# Altium PCB [01]-Robot.PcbDoc (part 1 of 2) (continued)
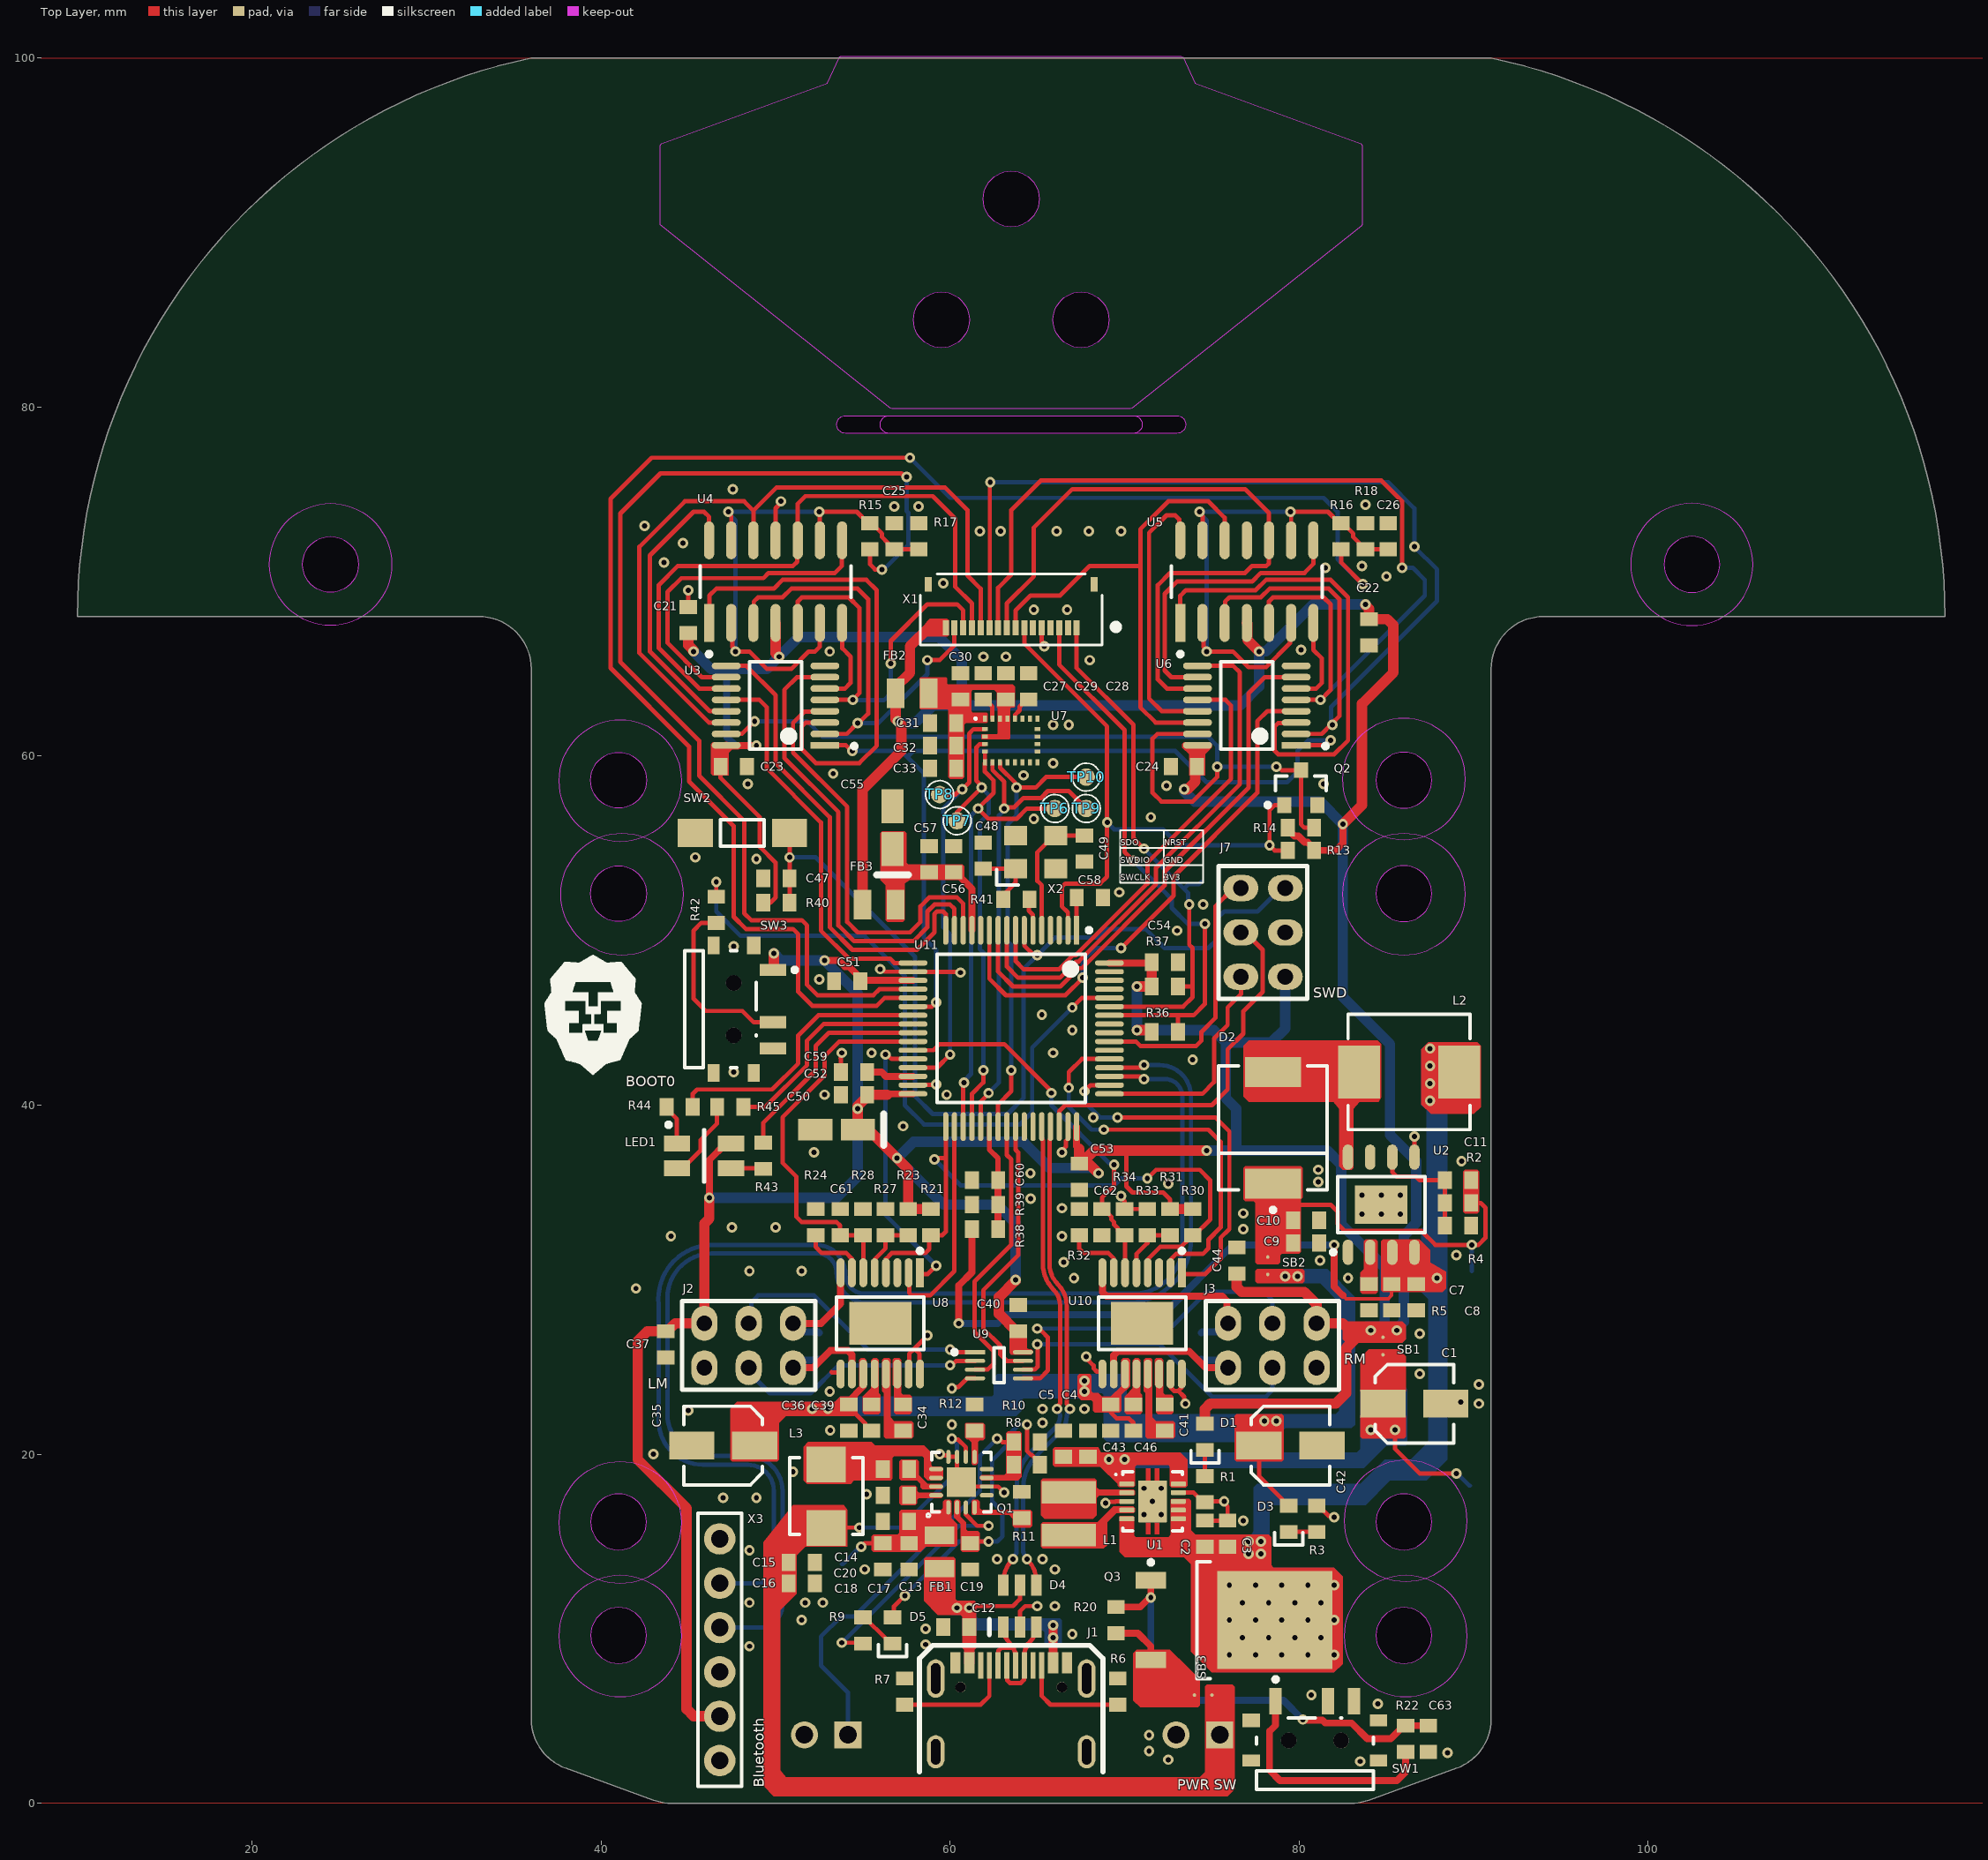
[diagram p0: Top Layer view]
## Part data (continued)
L2: library part MWSA0603S-4R7MT, "Fixed Ind 4.7UH 6A 33 Mohm SMD", LCSC#=C408447, Manufacturer=Sunlord, Supplier Part Number 1=3442-MWSA0603S-4R7MTCT-ND, Manufacturer Part Number=MWSA0603S-4R7MT, Pricing 1="1=1.24, 10=1.149, 25=1.0604, 50=0.8838, 100=0.8307, 250=0.74236, 500=0.6363 (USD)", RoHS=No, Stock 1=1109, Supplier 1=Digi-Key
L3: "Power Inductor SMD Sunlord MWSA0603S", Manufacturer=Sunlord, Manufacturer Part Number=MWSA0402S-
LED1: library part CMP-1431-00001-1, "SMD Full-Color Top LED, WL-SFTW, Red & Green & Blue", Color="Red & Green & Blue", Manufacturer="Wuerth Elektronik", ComponentLink1Description="Manufacturer URL", ComponentLink1URL=http://www.we-online.com, ComponentLink2Description=Datasheet, ComponentLink2URL=http://katalog.we-online.com/led/datasheet/150141M173100.pdf, PackageReference=3528_A, PartNumber=150141M173100
Q1: "Standalone 1-cell 17-V, 3.0-A battery charger with JEITA battery temperature monitoring 16-WQFN -40 to 85", LCSC#=C2842775, Manufacturer="Texas Instruments", Category="Integrated Circuits (ICs)", Manufacturer Part Number=BQ25303JRTER, Pricing 1="1=2.18000, 10=1.97000, 50=1.85000, 100=1.58000, 1000=1.08000, 10000=0.97900 (USD)", RoHS=No, Stock 1=8047, Supplier 1=Mouser, Supplier Part Number 1=BQ25303JRTER
Q2: "Small Signal MOSFET, 60 V, 115 mA, N-Channel, 3-Pin SOT-23, Pb-Free, Tape and Reel", LCSC#=C16338, Manufacturer="On Semiconductor", Package Type=SOT-23-3, Channel Polarity="N Channel", ComponentLink1Description="Manufacturer URL", ComponentLink1URL=http://www.onsemi.com/, ComponentLink2Description=Datasheet, ComponentLink2URL=http://www.onsemi.com/pub_link/Collateral/2N7002L-D.PDF, ComponentLink3Description="Package Specification", ComponentLink3URL=http://www.onsemi.cn/pub_link/Collateral/318-08.PDF, Configuration=Single, DatasheetVersion="Rev. 7", ID Max (A)=0.115, Mounting Technology="Surface Mount", PackageDescription="3-Pin Small Outline Transistor, Body 2.92 x 1.3 mm, Pitch 0.95 mm", PackageReference=SOT-23-3-318-08, PackageVersion="Rev. AP, 11/2009", Packing="Tape and Reel", PartNumber=2N7002LT1G, RoHS=Pb-Free, V(BR)DSS Min (V)=60, VGS Max (V)=20, VGS(th) Max (V)=2.5
Q3: "Trans MOSFET P-CH 40V 40A 3-Pin(2+Tab) DPAK", LCSC#=C400894, Manufacturer="Alpha & Omega Semiconductor", Category=Transistors, ComponentLink1Description=https://datasheet.ciiva.com/951/aod4185-951090.pdf?src-supplier=Digi-Key, ComponentLink1URL=https://datasheet.ciiva.com/951/aod4185-951090.pdf?src-supplier=Digi-Key, ComponentLink2Description=https://datasheet.ciiva.com/6384/aod4185-6384890.pdf?src-supplier=Digi-Key, ComponentLink2URL=https://datasheet.ciiva.com/6384/aod4185-6384890.pdf?src-supplier=Digi-Key, ComponentLink3Description=https://datasheet.ciiva.com/6384/aod4185-6384893.pdf?src-supplier=Digi-Key, ComponentLink3URL=https://datasheet.ciiva.com/6384/aod4185-6384893.pdf?src-supplier=Digi-Key, Manufacturer Part Number=AOD4185, Pricing 1="1=0.8184, 10=0.7205, 25=0.7134, 100=0.5449, 250=0.5394, 500=0.424, 1000=0.3369, 3000=0.3025 (USD)", RoHS=Yes, Stock 1=3171, Supplier 1="Arrow Electronics", Supplier Part Number 1=AOD4185
R1 R2 R3 R4 R5 R6 R7 R8 R9 R10 R11 R12 R13 R14 R15 R16 R17 R18 R20 R21 R22 R23 R24 R27 R28 R30 R31 R32 R33 R34 R36 R37 R38 R39 R40 R41 R42 R43 R44 R45: library part RES_0603, "Resistor SMD 0603"
SW1 SW3: "SWITCH SLIDE SPDT 50MA 12VDC", Contact Current Rating=300mA, Contact Resistance=70mR, Insulation Resistance=100mR, LCSC#=C431541, Max Current Rating=50mA, Max Operating Temperature=85°C, Max Voltage Rating (DC)=12v, Min Operating Temperature=-20°C, Package Quantity=1, Actuator Length=1.5mm, Actuator Material=Nylon, Actuator Type=Standard, Contact Material="Copper Alloy", Contact Plating=Silver, Current Rating=300mA, Depth=5mm, Lead Free="Lead Free", Length=7.7mm, Mechanical Life=10000Cycles, Mount="Surface Mount", Orientation="Right Angle", Packaging="Tape and Reel", REACH SVHC="No SVHC", Switch Function=On-On, Switch Travel=1.5mm, Termination="Gull Wing", Throw Configuration=SPDT, Voltage Rating (DC)=12v, Width=6.7mm
SW2: "Tactile Switch SMD SPST", #LCSC=C483881, Manufacturer=Diptronics, Manufacturer Part Number=DTSM-31S-V-T/R
TP1 TP2 TP3 TP4 TP5 TP6 TP7 TP8 TP9 TP10 TP11 TP12 TP13: library part TP_SMD_Ø1.0MM, "1.0mm circular SMD testpad", Manufacturer="Nordic Semiconductor", Manufacturer Part Number=N.A., Artikkelnr Noca=N.A., Author=rsk, Component Class=Connectors, ComponentLink1Description=Datasheet, ComponentLink1URL=N.A., ComponentLink2Description="Supplier link", ComponentLink2URL=N.A., Footprint Doc=TP_SMD_Ø1.0mm, HelpURL=N.A., LatestRevisionDate=2021-03-05, Note=N.A., Pad Count=1, Part Number=TP_SMD_Ø1.0MM, Part number IPS=N.A., Part number Norautron=N.A., PartId=100500475, Pin Count=1, Published=2013-06-11, Publisher="Nordic Semiconductor", Supplier 1=N.A., Supplier 2=N.A., Supplier Part Number 1=N.A., Supplier Part Number 2=N.A.
U1: "Buck-Boost Voltage Converter with 1.8 to 5.5 V Input and 3.3 V Output, -40 to 85 degC, 10-Pin SON (DRC), Green (RoHS & no Sb/Br)", Dynamic Voltage Scaling=TRUE, Manufacturer="Texas Instruments", Switching Frequency(Max)(kHz)=1500, ComponentLink1Description=Datasheet, ComponentLink1URL=http://www.ti.com/general/docs/lit/getliterature.tsp?genericPartNumber=TPS63001&fileType=pdf, ComponentLink2Description="Package Specification", ComponentLink2URL=http://www.ti.com/litv/pdf/mpds117k, DatasheetVersion=SLVS520B, Eco-Plan="Green (RoHS & no Sb/Br)", Iout(Max)(A)=1.2, Iq(Typ)(mA)=0.03, Mounting Technology="Surface Mount", PackageDescription="10-Pin Plastic Small Outline No-Lead, 3 x 3 x 1 mm Body, 0.5 mm Pitch, Exposed Pad", PackageReference=DRC0010J, PackageVersion="revL, Sep-2011", PartNumber=TPS63001DRCR, Preset Vout(V)=3.3, Regulated Outputs(#)=1, SubFamily="Buck-Boost Regulator", Synchronous Rectification=TRUE, Topology=Buck-Boost, Vin(Max)(V)=5.5, Vin(Min)(V)=1.8, Vout(Max)(V)=3.3, Vout(Min)(V)=3.3
U2: "1Mhz, 3.5A Step-Up Current Mode PWM Controller", LCSC#=C83576, Manufacturer="Advanced Analog Technology", Manufacturer Part Number=FP6293XR-G1
U3 U6: library part TMUX1574, "IC SWITCH SPDT QUAD 16TSSOP", Case/Package=TSSOP, LCSC#=C2673443, Max Operating Temperature=125°C, Min Operating Temperature=-40°C, On-State Resistance=4.5R, -3db Bandwidth=2GHz, Number of Circuits=4, Packaging="Cut Tape", RoHS Compliant=Yes
U4 U5: "IC OPAMP GP 4 CIRCUIT 14SO", Input Bias Current=0.02uA, Input Offset Voltage=2mV, LCSC#=C71035, Manufacturer=STMicroelectronics, Max Dual Supply Voltage=15V, Max Junction Temp=+150°C, Max Supply Voltage=30V, Min Dual Supply Voltage=1.5V, Min Supply Voltage=3V, Nominal Supply Current=0.7-1.5mA, Output Current Per Channel=20-50mA, Package=SO-14, Temperature="0°C to +70°C", Temperature Range High=+70°C, Temperature Range Low=0°C, Voltage Gain=100dB, Automotive=No, Bandwidth=1.3MHz, Category=IC, ComponentLink2Description=Datasheet, ComponentLink2URL=https://www.st.com/content/ccc/resource/technical/document/datasheet/bd/fc/46/43/26/8f/40/7f/CD00001046.pdf/files/CD00001046.pdf/jcr:content/translations/en.CD00001046.pdf, Device Class L1="Integrated Circuits (ICs)", Device Class L2="Linear ICs", Device Class L3="Amplifiers - Op Amps", Digikey Description="IC OPAMP GP 4 CIRCUIT 14SO", Footprint Url=https://www.st.com/content/ccc/resource/technical/document/datasheet/group3/10/8a/e6/12/f8/e8/49/ce/DM00366438/files/DM00366438.pdf/jcr:content/translations/en.DM00366438.pdf, Gain Bandwidth=1.3MHz, Height=1.75mm, Lead Free=Yes, Manufacturer Part Number=LM324DT, Mouser Description="LM324 Series 32 V 1.3 MHz Low Power Quad Operational Amplifier - SOIC-14", Number Of Channels=4, Octopart=https://octopart.com/lm324dt-stmicroelectronics-39579146, RoHS=TRUE, Standoff Height=0.1mm
U7: "iNEMO Inertial Module: 3D Accelerometer, 3D Gyroscope, 3D Magnetometer, 1.9 to 3.6 V, -40 to 85 degC, 24-Pin LGA, RoHS, Tape and Reel", LCSC#=C2655096, Manufacturer=STMicroelectronics, Package Description="24-Pin Plastic Land Grid Array Package, Body 3.65 x 3.15 mm, Pitch 0.43 mm", Package Reference=LGA-24_3500X3000X1000, PartNumber=LSM9DS1, Sensor Case Style=LGA, Supply Voltage Max=3.6V, Supply Voltage Min=1.9V, Acceleration Range=±2g,±4g,±8g,±16g, Datasheet URL=http://www2.st.com/content/ccc/resource/technical/document/datasheet/1e/3f/2a/d6/25/eb/48/46/DM00103319.pdf/files/DM00103319.pdf/jcr:content/translations/en.DM00103319.pdf, Datasheet Version="Rev. 3, 03/2015", Gyroscope Range=±245°/s,±500°/s,±2000°/s, Manufacturer URL=http://www.st.com/, MEMS Module Function=Tri-AxisGyroscope,Tri-AxisAccelerometer,Tri-AxisMagnetometer, Mounting Technology=SurfaceMount, MSL=MSL3-168hours, No. of Pins=24Pins, Packaging=CutTape, Product Range=-, SVHC=NoSVHC(17-Dec-2015)
U8 U10: "DRV8874 H-BRIDGE MOTOR DRIVER", LCSC#=C1855818, Manufacturer="Texas Instruments", Manufacturer Part Number=DRV8874PWPR, RoHS Compliant=Yes
U9: "IC GATE OR 2CH 2-INP 8VSSOP", Case/Package=VSSOP, High Level Output Current=32mA, LCSC#=C507251, Max Operating Temperature=125°C, Max Supply Voltage=5.5V, Min Operating Temperature=-40°C, Min Supply Voltage=1.65V, Output Voltage=0V, Package Quantity=1, Quiescent Current=10uA, Lead Free="Lead Free", Logic Function="OR GATE", Low Level Output Current=32mA, Mount="Surface Mount", Number of Bits=2, Number of Circuits=2, Number of Elements=2, Number of Gates=2, Number of Input Lines=2, Number of Inputs=2, Number of Output Lines=1, Number of Outputs=1, Number of Pins=8, Packaging="Tape and Reel", Propagation Delay=4.7ns, Radiation Hardening=No, RoHS Compliant=Yes, Series=74LVC, Technology=CMOS, Turn-On Delay Time=3.8ns, Weight=0.001058oz
U11: "ARM® Cortex®-M4 STM32 F4 Microcontroller IC 32-Bit 180MHz 512KB (512K x 8) FLASH 64-LQFP (10x10)", Ambient Temperature Range High=+85°C, Ambient Temperature Range Low=-40°C, Frequency=180MHz, LCSC#=C69336, Manufacturer=ST, Max Junction Temp=+105°C, Max Supply Voltage=3.6V, Min Supply Voltage=1.7V, Package=LQFP64-5W, Supplier Part Number 1=511-STM32F446RET6, Temperature="-40°C to +105°C", Automotive=No, Category=IC, ComponentLink1Description=http://www.mouser.com/ds/2/389/stm32f446mc-956216.pdf?src-supplier=Mouser, ComponentLink1URL=http://www.mouser.com/ds/2/389/stm32f446mc-956216.pdf?src-supplier=Mouser, ComponentLink2Description=Datasheet, ComponentLink2URL=https://www.st.com/en/microcontrollers-microprocessors/stm32f446re.html, ComponentLink3Description=http://www.farnell.com/datasheets/2309063.pdf?src-supplier=Farnell, ComponentLink3URL=http://www.farnell.com/datasheets/2309063.pdf?src-supplier=Farnell, ComponentLink4Description=https://datasheet.octopart.com/STM32F446RET6-STMicroelectronics-datasheet-58295083.pdf?src-supplier=Future+Electronics, ComponentLink4URL=https://datasheet.octopart.com/STM32F446RET6-STMicroelectronics-datasheet-58295083.pdf?src-supplier=Future+Electronics, ComponentLink5Description=http://www.st.com/content/ccc/resource/technical/document/datasheet/65/cb/75/50/53/d6/48/24/DM00141306.pdf/files/DM00141306.pdf/jcr:content/translations/en.DM00141306.pdf?src-supplier=Digi-Key, ComponentLink5URL=http://www.st.com/content/ccc/resource/technical/document/datasheet/65/cb/75/50/53/d6/48/24/DM00141306.pdf/files/DM00141306.pdf/jcr:content/translations/en.DM00141306.pdf?src-supplier=Digi-Key, ComponentLink6Description=http://www.farnell.com/datasheets/2309063.pdf?src-supplier=Element14, ComponentLink6URL=http://www.farnell.com/datasheets/2309063.pdf?src-supplier=Element14, ComponentLink7Description=https://datasheet.octopart.com/STM32F446RET6-STMicroelectronics-datasheet-41797127.pdf?src-supplier=Element14, ComponentLink7URL=https://datasheet.octopart.com/STM32F446RET6-STMicroelectronics-datasheet-41797127.pdf?src-supplier=Element14, ComponentLink8Description=http://www.farnell.com/datasheets/2309063.pdf?src-supplier=Newark, ComponentLink8URL=http://www.farnell.com/datasheets/2309063.pdf?src-supplier=Newark, ComponentLink9Description=https://datasheet.octopart.com/STM32F446RET6-STMicroelectronics-datasheet-83961502.pdf?src-supplier=SHENGYU+ELECTRONICS, ComponentLink9URL=https://datasheet.octopart.com/STM32F446RET6-STMicroelectronics-datasheet-83961502.pdf?src-supplier=SHENGYU+ELECTRONICS, Core Architecture="ARM Cortex-M4", Data Bus Width=32bits, Device Class L1="Integrated Circuits (ICs)", Device Class L2="Embedded Processors and Controllers", Device Class L3=Microcontrollers, Digikey Description="IC MCU 32BIT 512KB FLASH 64LQFP", Height=1.6mm, Interface=I2C,SPI,UART,USART,CAN,USB,LIN,IrDA,I2S,Other, Ipc Land Pattern Name=QFP50P1200X1200X160-64, Lead Free=Yes, Manufacturer Part Number=STM32F446RET6, Memory Size=512KBytes, Memory Type=FLASH, Mouser Description="ARM Microcontrollers - MCU High-performance and DSP with FP, ARM Cortex-M4 MCU with 512 Kbytes Flash, 180 MHz CPU, Art Accelerator, SDRAM", Number Of A/D Converters=3, Number Of Adc Channels=16, Number Of Cores=1, Number Of I2C Channels=4, Number Of I/Os=50, Number Of Pwm Channels=32, Number Of Spi Channels=4, Number Of Timers/Counters=14, Number Of Uart Channels=6, Number Of Usb Channels=2, Octopart=https://octopart.com/stm32f446ret6-stmicroelectronics-52642920, Pricing 1="1=12.45, 10=11.25, 50=10.54, 100=9.5, 1000=6.72, 10000=6.72 (USD)", Ram Size=128KBytes, RoHS=TRUE, Standoff Height=0.05mm, Stock 1=22, Supplier 1=Mouser, Temperature Range High=+105°C, Temperature Range Low=-40°C
X1: library part CON16_FFC_0.5, "Ffc-fpc Connector, Receptacle, Number Of Positions 16, Horizontal, Rated Current 0.5 A", Current Rating=500mA, Flammability Rating="UL94 V-0", LCSC#=C324725, Manufacturer=Hirose, Manufacturer Part Number=FH34SRJ-16S-0.5SH(50), Max Operating Temperature=85°C, Min Operating Temperature=-55°C, Supplier Part Number 1=H125754CT-ND, Voltage Rating=50V, Actuator Material=Nylon,Polyamide, Category="FFC / FPC", ComponentLink1Description=https://www.hirose.com/product/en/download_file/key_name/FH34SRJ/category/Catalog/doc_file_id/31646/?file_category_id=4&item_id=27&is_series=1&src-supplier=Digi-Key, ComponentLink1URL=https://www.hirose.com/product/en/download_file/key_name/FH34SRJ/category/Catalog/doc_file_id/31646/?file_category_id=4&item_id=27&is_series=1&src-supplier=Digi-Key, ComponentLink2Description=https://www.hirose.com/product/download/?distributor=digikey&amp;type=specSheet&amp;lang=en&amp;num=FH34SRJ-16S-0.5SH(50)&src-supplier=Digi-Key, ComponentLink2URL=https://www.hirose.com/product/download/?distributor=digikey&amp;type=specSheet&amp;lang=en&amp;num=FH34SRJ-16S-0.5SH(50)&src-supplier=Digi-Key, Contact Material=Bronze, Contact Plating=Gold, Housing Material=Polymer, Mount="Surface Mount", Number of Pins=16, Number of Positions=16, Packaging="Tape and Reel", Pitch=0.02inch, Pricing 1="1=1.04, 10=0.878, 25=0.842, 50=0.8242, 100=0.7884, 250=0.71668, 500=0.64502, 1000=0.57336, 2500=0.5196 (USD)", RoHS=Yes, RoHS Compliant=Yes, Series=FH34SRJ, Stock 1=2594, Supplier 1=Digi-Key, System=Connector, Termination=Solder
X2: "Crystal SMD 3225", #LCSC=C9006, Manufacturer="Yangxing Tech", Manufacturer Part Number=X322525MOB4SI
X3: library part CON_PH_6x1, "Female, 6 C, Straight, .100\"CC; 3.20mm Tail, No Mt. 100u\" Tin; PBT, Phos Bronze, 105 C", LCSC#=C40877, Manufacturer=Sullins, Manufacturer Part Number=PPTC061LFBN-RC, Supplier Part Number 1=S7004-ND, Category=Connectors, ComponentLink1Description=https://media.digikey.com/pdf/Data%20Sheets/Sullins%20PDFs/Female_Headers.100_DS.pdf?src-supplier=Digi-Key, ComponentLink1URL=https://media.digikey.com/pdf/Data%20Sheets/Sullins%20PDFs/Female_Headers.100_DS.pdf?src-supplier=Digi-Key, ComponentLink2Description=https://datasheet.octopart.com/PPTC061LFBN-RC-Sullins-datasheet-41308905.pdf?src-supplier=Future+Electronics, ComponentLink2URL=https://datasheet.octopart.com/PPTC061LFBN-RC-Sullins-datasheet-41308905.pdf?src-supplier=Future+Electronics, ComponentLink3Description=http://www.sullinscorp.com/catalogs/78_Page80-81_HEADER_.100_2.54mm_FEMALE.pdf?src-supplier=Future+Electronics, ComponentLink3URL=http://www.sullinscorp.com/catalogs/78_Page80-81_HEADER_.100_2.54mm_FEMALE.pdf?src-supplier=Future+Electronics, Pricing 1="1=0.52, 10=0.449, 80=0.3705, 440=0.3222, 1000=0.26582, 5000=0.2336, 10000=0.2327 (USD)", RoHS=Yes, Stock 1=23609, Supplier 1=Digi-Key

## Via types
v1: diameter 0.6, hole 0.3, Top Layer to Bottom Layer, tented both sides, 291 vias
v2: diameter 0.6, hole 0.3, Top Layer to Bottom Layer, 1 vias

## Nets (pads, with @x,y where several pads share a name; then routed paths per layer and width w, separated by ;. In a path a pad name is that pad's centre, name@x,y a point inside that pad or via, vN(x,y) a via of type N, cw(c..) or ccw(c..) an arc to the next point about the centre after c; other vN are vias at no path point)
3V3: C21.2 C22.2 C23.2 C24.2 C37.2 C40.2 C44.2 C50.1 C51.2 C52.2 C53.2 C54.2 D1.A FB2.1 FB3.1 J2.5 J3.1 J7.1 LED1.1 R13.2 R14.2 R21.2 R23.2 R30.2 R31.2 R36.2 R37.2 R40.2 SB1.2 SW3.1 U3.16 U4.4 U5.4 U6.16 U9.8 U11.19 U11.32 U11.48 U11.64 X1.16 X3.2 | length 351.9
  Top Layer w0.25: C23.2@46.85,59.4 46.85,58.75 49.1,56.5 49.1,54.8 50,53.9 50,51.9 49.7,51.6 R40.2@49.3,51.6 ; 70.1,37.4 70.1,35.351 70.451,35 72.2,35 72.6,34.6 R31.2@72.6,34.05
  Top Layer w0.4: v1(46.2,34.7) 46.2,36.857 LED1.1@47.15,37.807 ; U3.16@47.175,60.625 47.184,60.615 48.885,60.615 v1(48.9,60.6) ; v1(52.8,48.3) 53.612,48.3 53.964,47.948 54.202,47.948 54.85,47.3 54.85,47.2 54.9,47.15 U11.19@57.875,47.15 ; 56.45,40.65 U11.32@57.875,40.65 ; U11.48@67.25,38.775 67.25,37.65 67.4,37.5 ; U11.64@69.125,48.15 C54.2@71.5,48.15 ; R14.2@79.35,55.9 79.35,55.8 79.723,55.427 79.961,55.427 80.315,55.073 80.477,55.073 80.85,54.7 R13.2@80.85,54.6 82.1,54.6 82.5,55 v1(82.5,56.1)
  Top Layer w0.6: C21.2@45,67.05 45,66.354 45.3,66.054 v1(45.3,66) ; v1(46.2,34.7) 46.2,33.5 45.92,33.22 J2.5@45.92,27.5 44.25,27.5 43.8,27.05 C37.2@43.7,27.05 42.65,27.05 42.1,26.5 42.1,19.7 44.9,16.9 44.9,5.4 45.3,5 46.79,5 X3.2@46.8,4.99 ; LED1.1@47.15,37.807 LED1.1@47.45,37.807 ; SW3.1@49.85,47.75 49.9,47.8 v1(49.9,48.7) ; U4.4@50,67.634 50,65.9 v1(50.2,65.7) ; FB3.1@54.975,51.5 54.975,58.075 57.2,60.3 v1@57.2,61.8 ; 56.4,40.6 C52.2@55.25,40.6 55.25,40.5 54.7,39.95 v1(54.7,39.8) 54.7,38.725 54.825,38.6 55.325,38.6 v1(56.962,36.963) 57.6,36.325 R23.2@57.6,34.05 R21.2@58.9,34.05 ; v1@56.875,62.125 56.875,63.95 57.7,64.775 57.7,66.3 58.85,67.45 ; v1(63.75,30) 63.75,29.95 62.8,29 62.8,28.05 63.8,27.05 C40.2@63.9,27.05 ; 67.4,37.5 C53.2@67.4,36.65 ; v1(68.5,36.1) 68.039,36.561 67.489,36.561 C53.2@67.4,36.65 ; v1(70.7,44.3) 71.45,44.3 R36.2@71.55,44.2 ; v1(70.7,46.8) R37.2@71.55,46.8 C54.2@71.55,48.2 C54.2@71.5,48.15 ; R31.2@72.6,34.05 R30.2@73.9,34.05 ; v1(73.4,58.1) 73.6,58.1 74.05,58.55 74.05,59.3 C24.2@74.15,59.4 ; D1.A@74.6,21.75 74.6,22.6 74.9,22.9 82.1,22.9 82.7,23.5 82.7,26.1 83.3,26.7 ; v1(74.7,37.4) 70.1,37.4 68.25,37.4 67.5,36.65 C53.2@67.4,36.65 ; C44.2@76.425,30.35 76.425,29.575 76.7,29.3 80.3,29.3 81,28.6 J3.1@81,27.5 82.5,27.5 83.3,26.7 ; U5.4@77,67.634 77.035,67.599 77.035,66.665 v1(77.7,66) ; v1(82.5,56.1) 83.6,57.2 83.6,63 85.4,64.8 85.4,67.499 85.049,67.85 C22.2@84,67.85 84,68.446 83.8,68.646 v1(83.8,68.7) ; SB1.2@84.8,26.7 83.3,26.7
  Bottom Layer w0.4: 47.2,65 47.2,61.1 47.7,60.6 v1(48.9,60.6)
  Bottom Layer w0.6: v1(45.3,66) 46.3,65 47.2,65 49.5,65 v1(50.2,65.7) 51.325,66.825 59.35,66.825 60.675,65.5 60.675,62.925 60.7,62.9 ; v1(46.2,34.7) 53.5,34.7 54.7,35.9 v1(54.7,39.8) 54.7,46.4 v1(52.8,48.3) 50.3,48.3 v1(49.9,48.7) ; v1(57,62) 57.1,61.9 58,61.9 59,62.9 60.7,62.9 ; v1(63.75,30) 63.75,33.25 62.7,34.3 59.625,34.3 v1(56.962,36.963) 57.9,37.9 64.2,37.9 65.7,36.4 68.2,36.4 v1(68.5,36.1) ; v1(70.7,46.8) v1(70.7,44.3) 75.1,44.3 75.8,43.6 ; v1(73.4,58.1) 73.4,58 74,57.4 81.2,57.4 v1(82.5,56.1) 82.5,46.2 85.2,43.5 85.2,38.3 86.7,36.8 86.7,33.243 86,32.543 86,27.6 85.6,27.2 v1(85.6,27.1) ; v1(74.7,37.4) 76.4,37.4 ; J7.1@79.2,47.36 79.2,44.4 78.4,43.6 75.8,43.6 ; v1(83.8,68.7) 80.8,68.7 78.1,66 v1(77.7,66) 77.7,64 76.6,62.9 60.7,62.9 ; 84.9,27 84.9,30.7 82.4,33.2 82.4,36.6 81.6,37.4 76.4,37.4 ; 75.8,43.6 75.8,40.4 76.4,39.8 76.4,37.4
  other v1: 84.1,27.1
+12: C35.1 C36.2 C39.2 C42.1 C43.2 C46.2 D3.A SB2.2 U8.11 U10.11 | length 8.8
  Top Layer w0.25: C36.2@54.2,22.85 54.3,22.85 54.575,22.575 54.575,22.325 55.125,21.775 55.125,21.625 55.4,21.35 C39.2@55.5,21.35 ; C43.2@69.2,22.85 69.2,22.4 69.552,22.048 70.252,22.048 70.5,21.8 C46.2@70.5,21.35 ; C42.1@77.7,20.5 77.7,18.75 79.025,17.425 79.025,17.325 79.3,17.05 D3.A@79.4,17.05
  other v1: 78,21.9 78.7,21.9 52.1,22.6 53,22.6 67.7,23.6 67.7,24.2 79.2,30.2 79.9,30.2
+BAT_RAW: Q3.2 R20.2 SB3.2 | length 3.1
  Top Layer w0.4: R20.2@69.5,9.75 70.75,9.75 71.5,9 Q3.2@71.5,8.22
+VBUS: C13.2 C17.2 C18.2 FB1.2 Q1.1 TP3.1 | length 2.8
  Top Layer w0.25: v1(54.9,14.7) 55.1,14.9 C17.2@56.15,14.9
  Bottom Layer w0.25: TP3.1@53.8,13.7 53.85,13.7 54.85,14.7 v1(54.9,14.7)
+VUSB: C12.2 D4.5 FB1.1 J1.A4B9 J1.B4A9 | length 8.1
  Top Layer w0.25: v1@61.1,11.3 63.6,11.3 64,11.7 D4.5@64,12.5
  Top Layer w0.5: J1.B4A9@65.9,8.05 v1(65.9,9.5) v1(65.9,10.2)
  Top Layer w0.6: J1.A4B9@61.1,8.05 C12.2@61.1,10.1
  other v1: 60.4,11.2 61.1,11.2
/PS_EN: Q2.3 R14.1 U3.15 U6.15 | length 49.5
  Top Layer w0.25: U3.15@47.175,61.275 47.193,61.293 48.093,61.293 v1(48.8,62) ; U6.15@74.175,61.275 71.875,61.275 71.6,61 71.6,57.9 72.1,57.4 73.9,57.4 75.3,58.8 v1(75.3,59.4) ; 78.995,59.2 Q2.3@80.1,59.2 80.1,56.1 80.3,55.9 R14.1@80.85,55.9
  Bottom Layer w0.25: v1(48.8,62) 51.8,62 52.7,61.1 74.8,61.1 75.3,60.6 v1(75.3,59.4) v1(78.7,59.4)
AOUT1: U3.2 U4.3 X1.15 | length 26.7
  Top Layer w0.25: U4.3@48.73,67.634 48.751,67.655 48.751,68.851 49,69.1 50.4,69.1 50.9,69.6 54.7,69.6 55.3,69 55.3,62.431 54.769,61.9 v1(54.7,61.9) 54.075,61.275 U3.2@52.825,61.275 ; v1(58.7,65.5) 59.4,65.5 60.25,66.35 X1.15@60.25,67.355
  Bottom Layer w0.25: v1(54.7,61.9) 55.9,61.9 58.7,64.7 v1(58.7,65.5)
AOUT2: U3.5 U4.5 X1.14 | length 23.7
  Top Layer w0.25: U4.5@51.27,67.634 51.271,67.635 51.271,68.871 51.5,69.1 54.2,69.1 54.8,68.5 54.8,63.6 v1(54.425,63.225) U3.5@52.825,63.225 ; v1(56.6,65.3) 56.6,66.6 58.7,68.7 60.4,68.7 60.75,68.35 X1.14@60.75,67.355
  Bottom Layer w0.25: v1(54.425,63.225) 54.45,63.2 56.2,63.2 56.6,63.6 v1(56.6,65.3)
AOUT3: U3.11 U4.10 X1.13 | length 36.7
  Top Layer w0.25: U3.11@47.175,63.875 45.625,63.875 43.3,66.2 43.3,69.8 44.4,70.9 51,70.9 51.249,71.149 51.249,72.345 U4.10@51.27,72.366 51.27,74.47 51.7,74.9 59,74.9 60.3,73.6 60.3,69.7 61.25,68.75 X1.13@61.25,67.355
AOUT4: U3.14 U4.12 X1.12 | length 42.7
  Top Layer w0.25: U3.14@47.175,61.925 46.175,61.925 42.2,65.9 42.2,72 44.8,74.6 48.2,74.6 48.73,74.07 ; U4.12@48.73,72.366 48.73,74.07 ; X1.12@61.75,67.355 61.75,69.6 61,70.35 61,74.1 59.7,75.4 50.06,75.4 48.73,74.07
AOUT5: U5.3 U6.2 X1.11 | length 66.8
  Top Layer w0.25: X1.11@62.25,67.355 62.275,67.38 62.275,75.675 v1(62.3,75.7) ; U5.3@75.73,67.634 75.751,67.655 75.751,68.851 76,69.1 77.8,69.1 78.3,69.6 81.7,69.6 82.3,69 82.3,62.295 81.9,61.895 v1(81.9,61.8) 81.819,61.8 81.294,61.275 U6.2@79.825,61.275
  Bottom Layer w0.25: v1(62.3,75.7) 85.1,75.7 86.6,74.2 v1(86.6,72) 87.9,70.7 87.9,68.9 81.833,62.833 81.833,61.867 v1(81.9,61.8)
AOUT6: U5.5 U6.5 X1.10 | length 57.5
  Top Layer w0.25: X1.10@62.75,67.355 62.75,69.65 63.5,70.4 63.5,74.1 65.2,75.8 84.7,75.8 85.9,74.6 v1(85.9,70.8) ; U5.5@78.27,67.634 78.271,67.635 78.271,68.871 78.5,69.1 81.4,69.1 81.8,68.7 81.8,63.8 v1(81.225,63.225) U6.5@79.825,63.225
  Bottom Layer w0.25: v1(81.225,63.225) 87.2,69.2 87.2,70.1 86.5,70.8 v1(85.9,70.8)
AOUT7: U5.10 U6.11 X1.9 | length 39
  Top Layer w0.25: X1.9@63.25,67.355 63.25,68.75 64.8,70.3 64.8,73.1 67,75.3 76.9,75.3 78.27,73.93 U5.10@78.27,72.366 78.27,71.046 78.124,70.9 77.3,70.9 76.9,70.5 72.6,70.5 71.9,69.8 71.9,64.4 72.425,63.875 U6.11@74.175,63.875
AOUT8: U5.12 U6.14 X1.8 | length 30.2
  Top Layer w0.25: X1.8@63.75,67.355 63.75,68.35 64.6,69.2 66.3,69.2 68,70.9 70.9,70.9 ; U6.14@74.175,61.925 71.775,61.925 70.9,62.8 70.9,70.9 ; U5.12@75.73,72.366 75.73,73.67 74.8,74.6 72.5,74.6 70.9,73 70.9,70.9
BAT: C2.2 C3.2 C7.2 C8.2 L2.1 Q3.3 R38.2 U1.5 U1.6 U1.7 U1.8 U2.3 U2.4 | length 35.8
  Top Layer w0.2: 82.5,29.1 82.698,28.902 85.102,28.902 85.3,29.1 C7.2@85.3,29.75
  Top Layer w0.4: v1(60.5,27.5) 60.5,29.675 61.25,30.425 R38.2@61.25,32.9 ; v1(82,32) 82,29.6 82.5,29.1
  Bottom Layer w0.4: v1(60.5,27.5) 62.727,27.5 63.227,28 72.2,28 76.2,32 v1(82,32)
  other v1: 76,8.5 77.5,8.5 79,8.5 80.5,8.5 82,8.5 76.75,9.5 78.25,9.5 79.75,9.5 81.25,9.5 76,10.5 77.5,10.5 79,10.5 80.5,10.5 82,10.5 76.75,11.5 78.25,11.5 79.75,11.5 81.25,11.5 76,12.5 77.5,12.5 79,12.5 80.5,12.5 82,12.5 77.1,14.3 77.8,14.3 77.1,15 77.8,15 87.9,30.1 87.5,40.25 87.5,41.25 87.5,42.25 87.5,43.25
BAT_FB: C15.2 C16.2 J5.1 L3.2 Q1.10 SB3.1 | length 12.4
  Top Layer w0.25: L3.2@52.9,15.775 52.925,15.8 v1(54.8,15.8) ; v1(60.1,20.9) 60.167,20.833 60.467,20.833 60.9,20.4 Q1.10@60.9,19.85
  Bottom Layer w0.25: v1(54.8,15.8) 57.2,15.8 60.4,19 60.4,20.579 60.1,20.879 v1(60.1,20.9)
BOOT0: R42.1 SW3.2 | length 10.5
  Top Layer w0.25: R42.1@46.6,50.45 45.75,50.45 45.3,50 45.3,46.1 46,45.4 48.1,45.4 48.75,44.75 SW3.2@49.85,44.75
BT_RX: U11.52 X3.4 | length 75.7
  Top Layer w0.25: U11.52@69.125,42.15 70.95,42.15 ccw(c70.95,42.3) v1(71.1,42.3)
  Bottom Layer w0.25: X3.4@46.8,10.07 49.07,10.07 ccw(c49.07,11.4) 50.4,11.4 50.4,17.9 ccw(c48.4,17.9) 48.4,19.9 46.2,19.9 cw(c46.2,22.3) 43.8,22.3 43.8,28.96 cw(c46.34,28.96) 46.34,31.5 52.4,31.5 cw(c52.4,30.4) 53.5,30.4 ccw(c55.2,30.4) 55.2,28.7 70.2,28.7 ccw(c70.2,32.3) 72.554,29.577 ccw(c70.5,32) 72.923,29.946 ccw(c70.2,32.3) 73.8,32.3 73.8,40.5 ccw(c72,40.5) 72,42.3 v1(71.1,42.3)